# KiCad board keyboard0.kicad_pcb (continued)
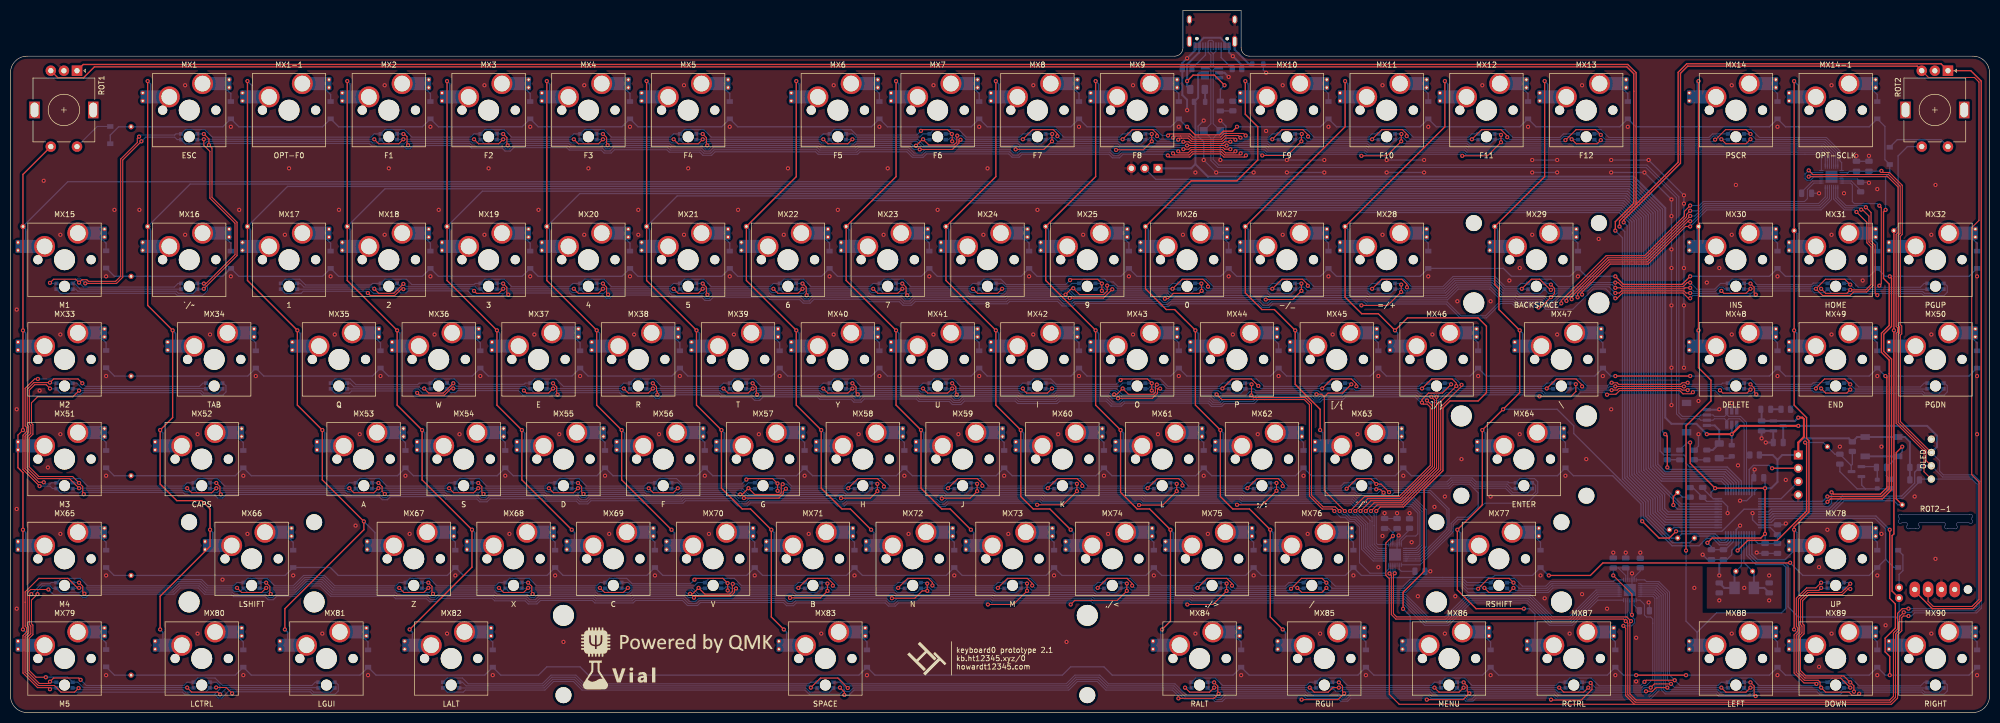
[diagram p0: board, top side]
## Placement (name value [footprint] x y rotation side) (continued)
ROW3  TestPoint_Small  [TestPoint_THTPad_D1.0mm_Drill0.5mm]  23.02 45.24 0 bottom
ROW4  TestPoint_Small  [TestPoint_THTPad_D1.0mm_Drill0.5mm]  23.02 26.19 0 bottom
ROW5  TestPoint_Small  [TestPoint_THTPad_D1.0mm_Drill0.5mm]  23.02 7.14 0 bottom
RST1  TestPoint_Small  [TestPoint_THTPad_D1.0mm_Drill0.5mm]  346.85 50.8 180 bottom
SW1  SW_Push  [SKQG-1155865]  357.16 50.8 180 bottom
U1  SRV05-4  [SOT-23-6_Handsoldering]  229.38 122.23 180 bottom
U2  SRV05-4  [SOT-23-6_Handsoldering]  328.59 56.35 270 bottom
U12  XC6206P332MR  [SOT-23]  337.47 54.77 0 bottom
U14  STM32F303CBT6  [LQFP-48_7x7mm_P0.5mm]  330.18 38.1 90 bottom
USB1  TYPE-C-31-M-12  [USB_C_Receptacle_HRO_TYPE-C-31-M-12]  229.38 131.36 0 bottom
X1  TestPoint_Small  [TestPoint_THTPad_D1.0mm_Drill0.5mm]  332.56 26.99 180 bottom
X2  TestPoint_Small  [TestPoint_THTPad_D1.0mm_Drill0.5mm]  329.39 26.99 180 bottom
Y2  8MHz  [Crystal_SMD_5032-2Pin_5.0x3.2mm]  330.97 23.81 180 bottom

## Library data of the parts
BOOT0 BOOT1 COL0-COL17 D+1 D-1 ENCA1 ENCB1 ENCB2 J1 J3 LOGO0 LOGO0#2 LOGO1 LOGO1#2 LOGO2 LOGO2#2 MX1 MX1-1 MX2-MX14 MX14-1 MX15-MX25 MX27-MX90 OL1 ROT1 ROT2 ROT2-1 ROW0-ROW5 RST1 X1 X2 = -: JLCPCB BOM: 0
C1 C6 C8 C9 C11 C13 C18-C20 C22 = -: LCSC Part: C28233
C2 = -: LCSC Part: C1779
C3 C7 = -: LCSC Part: C1798
C4 C5 C10 C12 C24 C43 C44 = -: LCSC Part: C28323
C21 = -: LCSC Part: C15850
C23 = -: LCSC Part: C1710
D1 = -: LCSC Part: C2297
D2 D5 D11 = -: LCSC Part: C84256
D3 D4 D6 KD1 KD1-1 KD2-KD14 KD14-1 KD15-KD90 = -: LCSC Part: C81598
F1 F8 = -: LCSC Part: C70069
FB1 FB5 FB15 = -: LCSC Part: C18305
I1-I3 = -: LCSC Part: C191206
J2 = -: LCSC Part: C160404
LED1-LED90 = -: LCSC Part: C409782
Q1 = -: LCSC Part: C8545
R1 R8 = -: LCSC Part: C17798
R2 R64 = -: LCSC Part: C17734
R5 R6 R27 = -: LCSC Part: C17414
R7 = -: LCSC Part: C25803
R11 R15 R16 = -: LCSC Part: C4328
R12 R13 = -: LCSC Part: C27834
R38 R39 = -: LCSC Part: C17673
R58 = -: LCSC Part: C4310
SW1 = -: LCSC Part: C318884
U1 U2 = -: LCSC Part: C85364
U12 = -: LCSC Part: C5446
U14 = -: LCSC Part: C108516
Y2 = -: LCSC Part: C115962

## Footprints (pads in the part's own frame, mm; a bottom-side part is the same pattern mirrored in y, then rotated)
C_0805_2012Metric
  rrect 1x1.45 smd: 1(-0.95,0) 2(0.95,0)
CherryMX_1.00u_PCB_KailhSocket
  rect 2.55x2.5 smd: (-7.085,2.54) (5.815,5.08)
  round 1.75 hole 1.75 unplated: (-5.08,0) (5.08,0)
  round 3.988 hole 3.988 unplated: (0,0)
  round 0.8 hole 0.4: 1(-8.89,3.302) 1(-8.89,1.778) 2(7.62,5.842) 2(7.62,4.318)
  rect 4.5x2.5 smd far side: 1(-7.085,2.54) 2(5.842,5.08)
  round 4 hole 3: 1(-3.81,2.54) 2(2.54,5.08)
CherryMX_1.25u_PCB_KailhSocket
  rect 2.55x2.5 smd: (-7.085,2.54) (5.815,5.08)
  round 1.75 hole 1.75 unplated: (-5.08,0) (5.08,0)
  round 3.988 hole 3.988 unplated: (0,0)
  round 0.8 hole 0.4: 1(-8.89,3.302) 1(-8.89,1.778) 2(7.62,5.842) 2(7.62,4.318)
  rect 4.5x2.5 smd far side: 1(-7.085,2.54) 2(5.842,5.08)
  round 4 hole 3: 1(-3.81,2.54) 2(2.54,5.08)
CherryMX_1.50u_PCB_KailhSocket
  rect 2.55x2.5 smd: (-7.085,2.54) (5.815,5.08)
  round 1.75 hole 1.75 unplated: (-5.08,0) (5.08,0)
  round 3.988 hole 3.988 unplated: (0,0)
  round 0.8 hole 0.4: 1(-8.89,3.302) 1(-8.89,1.778) 2(7.62,5.842) 2(7.62,4.318)
  rect 4.5x2.5 smd far side: 1(-7.085,2.54) 2(5.842,5.08)
  round 4 hole 3: 1(-3.81,2.54) 2(2.54,5.08)
CherryMX_2.00u_PCB_KailhSocket_StabWireBottom
  round 3.05 hole 3.05 unplated: (-11.938,7) (11.938,7)
  round 4 hole 4 unplated: (-11.938,-8.24) (11.938,-8.24)
  rect 2.55x2.5 smd: (-7.085,2.54) (5.815,5.08)
  round 1.75 hole 1.75 unplated: (-5.08,0) (5.08,0)
  round 3.988 hole 3.988 unplated: (0,0)
  round 0.8 hole 0.4: 1(-8.89,3.302) 1(-8.89,1.778) 2(7.62,5.842) 2(7.62,4.318)
  rect 4.5x2.5 smd far side: 1(-7.085,2.54) 2(5.842,5.08)
  round 4 hole 3: 1(-3.81,2.54) 2(2.54,5.08)
CherryMX_2.25u_PCB_KailhSocket_StabWireBottom
  round 3.05 hole 3.05 unplated: (-11.938,7) (11.938,7)
  round 4 hole 4 unplated: (-11.938,-8.24) (11.938,-8.24)
  rect 2.55x2.5 smd: (-7.085,2.54) (5.815,5.08)
  round 1.75 hole 1.75 unplated: (-5.08,0) (5.08,0)
  round 3.988 hole 3.988 unplated: (0,0)
  round 0.8 hole 0.4: 1(-8.89,3.302) 1(-8.89,1.778) 2(7.62,5.842) 2(7.62,4.318)
  rect 4.5x2.5 smd far side: 1(-7.085,2.54) 2(5.842,5.08)
  round 4 hole 3: 1(-3.81,2.54) 2(2.54,5.08)
CherryMX_2.25u_PCB_KailhSocket_StabWireTop
  round 4 hole 4 unplated: (-11.938,8.24) (11.938,8.24)
  round 3.05 hole 3.05 unplated: (-11.938,-7) (11.938,-7)
  rect 2.55x2.5 smd: (-7.085,2.54) (5.815,5.08)
  round 1.75 hole 1.75 unplated: (-5.08,0) (5.08,0)
  round 3.988 hole 3.988 unplated: (0,0)
  round 0.8 hole 0.4: 1(-8.89,3.302) 1(-8.89,1.778) 2(7.62,5.842) 2(7.62,4.318)
  rect 4.5x2.5 smd far side: 1(-7.085,2.54) 2(5.842,5.08)
  round 4 hole 3: 1(-3.81,2.54) 2(2.54,5.08)
CherryMX_2.75u_PCB_KailhSocket_StabWireBottom
  round 3.05 hole 3.05 unplated: (-11.938,7) (11.938,7)
  round 4 hole 4 unplated: (-11.938,-8.24) (11.938,-8.24)
  rect 2.55x2.5 smd: (-7.095,2.541) (5.805,5.081)
  round 1.75 hole 1.75 unplated: (-5.09,0.001) (5.07,0.001)
  round 3.988 hole 3.988 unplated: (-0.01,0.001)
  round 0.8 hole 0.4: 1(-8.9,3.303) 1(-8.9,1.779) 2(7.61,5.843) 2(7.61,4.319)
  rect 4.5x2.5 smd far side: 1(-7.095,2.541) 2(5.832,5.081)
  round 4 hole 3: 1(-3.82,2.541) 2(2.53,5.081)
CherryMX_6.25u_PCB_KailhSocket_StabWireTop
  round 4 hole 4 unplated: (-50,8.24) (50,8.24)
  round 3.05 hole 3.05 unplated: (-50,-7) (50,-7)
  rect 2.55x2.5 smd: (-7.085,2.54) (5.815,5.08)
  round 1.75 hole 1.75 unplated: (-5.08,0) (5.08,0)
  round 3.988 hole 3.988 unplated: (0,0)
  round 0.8 hole 0.4: 1(-8.89,3.302) 1(-8.89,1.778) 2(7.62,5.842) 2(7.62,4.318)
  rect 4.5x2.5 smd far side: 1(-7.085,2.54) 2(5.842,5.08)
  round 4 hole 3: 1(-3.81,2.54) 2(2.54,5.08)
Crystal_SMD_5032-2Pin_5.0x3.2mm
  rect 2x2.4 smd: 1(-1.85,0) 2(1.85,0)
D_SOD-123
  rect 0.9x1.2 smd: 1(-1.65,0) 2(1.65,0)
EVQWGD001
  round 1.6 hole 1.6 unplated: (-6.21,5.85)
  oval 2x3 hole 1: A(3.95,5.85) B(1.41,5.85) C(-1.13,5.85) NC(-3.67,5.85)
  round 1.524 hole 0.762: S1(6.95,7.5)
  oval 1.524x1.524 hole 0.762: S2(6.95,5.5)
Fuse_1206_3216Metric
  rrect 1.25x1.75 smd: 1(-1.4,0) 2(1.4,0)
JST-SR-4
  rect 0.6x1.55 smd: 1(-1.5,4.775) 2(-0.5,4.775) 3(0.5,4.775) 4(1.5,4.775)
  rect 1.2x1.8 smd: MP(-2.8,0.9) MP(2.8,0.9)
L_0805_2012Metric
  rrect 0.875x1.2 smd: 1(-1.062,0) 2(1.062,0)
LED_0805_2012Metric
  rrect 0.975x1.4 smd: 1(-0.938,0) 2(0.938,0)
LQFP-48_7x7mm_P0.5mm
  rrect 1.475x0.3 smd: 1(-4.162,2.75) 2(-4.162,2.25) 3(-4.162,1.75) 4(-4.162,1.25) 5(-4.162,0.75) 6(-4.162,0.25) 7(-4.162,-0.25) 8(-4.162,-0.75) 9(-4.162,-1.25) 10(-4.162,-1.75) 11(-4.162,-2.25) 12(-4.162,-2.75) 25(4.162,-2.75) 26(4.162,-2.25) 27(4.162,-1.75) 28(4.162,-1.25) 29(4.162,-0.75) 30(4.162,-0.25) 31(4.162,0.25) 32(4.162,0.75) 33(4.162,1.25) 34(4.162,1.75) 35(4.162,2.25) 36(4.162,2.75)
  rrect 0.3x1.475 smd: 13(-2.75,-4.162) 14(-2.25,-4.162) 15(-1.75,-4.162) 16(-1.25,-4.162) 17(-0.75,-4.162) 18(-0.25,-4.162) 19(0.25,-4.162) 20(0.75,-4.162) 21(1.25,-4.162) 22(1.75,-4.162) 23(2.25,-4.162) 24(2.75,-4.162) 37(2.75,4.162) 38(2.25,4.162) 39(1.75,4.162) 40(1.25,4.162) 41(0.75,4.162) 42(0.25,4.162) 43(-0.25,4.162) 44(-0.75,4.162) 45(-1.25,4.162) 46(-1.75,4.162) 47(-2.25,4.162) 48(-2.75,4.162)
MHT151RGBCT_with_outline
  round 2.1 hole 2.1 unplated: (0,-5.075)
  rect 0.8x0.7 smd: 1(-1.55,-4.525) 2(-1.55,-5.625) 3(1.55,-5.625) 4(1.55,-4.525)
OLED_v2
  round 1.397 hole 0.813: 1(-3.81,0) 2(-1.27,0) 3(1.27,0) 4(3.81,0)
PinHeader_1x03_P2.54mm_Vertical
  rect 1.7x1.7 hole 1: 1(0,0)
  oval 1.7x1.7 hole 1: 2(0,-2.54) 3(0,-5.08)
PinSocket_1x04_P2.54mm_Vertical
  rect 1.7x1.7 hole 1: 1(0,0)
  oval 1.7x1.7 hole 1: 2(0,-2.54) 3(0,-5.08) 4(0,-7.62)
QFN-28-1EP_4x4mm_P0.4mm_EP2.3x2.3mm
  rrect 0.93x0.93 smd: (-0.575,-0.575) (-0.575,0.575) (0.575,-0.575) (0.575,0.575)
  rrect 0.825x0.2 smd: 1(-1.938,1.2) 2(-1.938,0.8) 3(-1.938,0.4) 4(-1.938,0) 5(-1.938,-0.4) 6(-1.938,-0.8) 7(-1.938,-1.2) 15(1.938,-1.2) 16(1.938,-0.8) 17(1.938,-0.4) 18(1.938,0) 19(1.938,0.4) 20(1.938,0.8) 21(1.938,1.2)
  rrect 0.2x0.825 smd: 8(-1.2,-1.938) 9(-0.8,-1.938) 10(-0.4,-1.938) 11(0,-1.938) 12(0.4,-1.938) 13(0.8,-1.938) 14(1.2,-1.938) 22(1.2,1.938) 23(0.8,1.938) 24(0.4,1.938) 25(0,1.938) 26(-0.4,1.938) 27(-0.8,1.938) 28(-1.2,1.938)
  rect 2.3x2.3 smd: 29(0,0)
R_0603_1608Metric
  rrect 0.8x0.95 smd: 1(-0.825,0) 2(0.825,0)
R_0805_2012Metric
  rrect 1.025x1.4 smd: 1(-0.912,0) 2(0.912,0)
RotaryEncoder_Alps_EC11E-Switch_Vertical_H20mm
  rect 2x2 hole 1: A(0,0)
  round 2 hole 1: B(0,-5) C(0,-2.5) S1(14.5,-5) S2(14.5,0)
  rect 3.2x2 hole 2.8x1.5: MP(7.5,3.1) MP(7.5,-8.1)
SKQG-1155865
  rect 1.8x1.1 smd: 1(-3.1,-1.85) 1(3.1,-1.85) 2(-3.1,1.85) 2(3.1,1.85)
SOT-23
  rrect 1.475x0.6 smd: 1(-0.938,0.95) 2(-0.938,-0.95) 3(0.938,0)
SOT-23-6_Handsoldering
  rect 1.56x0.65 smd: 1(-1.35,0.95) 2(-1.35,0) 3(-1.35,-0.95) 4(1.35,-0.95) 5(1.35,0) 6(1.35,0.95)
TestPoint_Pad_1.5x1.5mm
  rect 1.5x1.5 smd: 1(0,0)
TestPoint_THTPad_D1.0mm_Drill0.5mm
  round 1 hole 0.5: 1(0,0)
USB_C_Receptacle_HRO_TYPE-C-31-M-12
  round 0.65 hole 0.65 unplated: (-2.89,2.6) (2.89,2.6)
  rect 0.6x1.45 smd: A1(-3.25,4.045) A4(-2.45,4.045) A9(2.45,4.045) A12(3.25,4.045) B1(3.25,4.045) B4(2.45,4.045) B9(-2.45,4.045) B12(-3.25,4.045)
  rect 0.3x1.45 smd: A5(-1.25,4.045) A6(-0.25,4.045) A7(0.25,4.045) A8(1.25,4.045) B5(1.75,4.045) B6(0.75,4.045) B7(-0.75,4.045) B8(-1.75,4.045)
  oval 1x1.6 hole 0.6x1.2: S1(-4.32,-1.05) S1(4.32,-1.05)
  oval 1x2.1 hole 0.6x1.7: S1(-4.32,3.13) S1(4.32,3.13)

## Nets
+3V3: C18.1 C19.1 C20.1 C21.1 C22.1 C23.2 C24.1 C44.1 D1.2 D11.2 J1.1 R5.1 R38.1 R39.1 R58.1 SW1.2 U12.2 U14.1 U14.9 U14.24 U14.36 U14.48
+5V: C5.1 C6.1 C10.1 C11.1 C12.1 C13.1 C43.1 FB1.2 FB15.2 I1.2 I1.3 I2.2 I2.3 I3.2 I3.3 I3.18 J3.1 OL1.3 U1.5 U2.5 U12.3
GND: C1.2 C3.2 C4.2 C5.2 C6.2 C7.2 C8.2 C9.2 C10.2 C11.2 C12.2 C13.2 C18.2 C19.2 C20.2 C21.2 C22.2 C23.1 C24.2 C43.2 C44.2 FB5.1 I1.5 I1.29 I2.5 I2.29 I3.5 I3.29 J1.4 J2.4 J2.MP J3.3 OL1.4 Q1.2 R1.1 R6.2 R7.2 R8.1 R11.1 R12.2 R13.2 R15.1 R16.1 R27.1 R64.1 ROT1.C ROT2.C ROT2-1.C U1.2 U2.2 U12.1 U14.8 U14.23 U14.35 U14.47 USB1.A1 USB1.A12 USB1.B1 USB1.B12
VBUS: D2.2 F1.1 USB1.A4 USB1.A9 USB1.B4 USB1.B9
VCC: D5.2 F8.1 J2.1
1CA1: I1.21 LED1.4 LED2.4 LED3.4 LED4.4 LED5.4 LED6.4 LED7.4 LED8.4 LED9.1
1CA2: I1.22 LED1.1 LED2.3 LED3.3 LED4.3 LED5.3 LED6.3 LED7.3 LED8.3 LED10.1
1CA3: I1.23 LED1.3 LED2.1 LED3.2 LED4.2 LED5.2 LED6.2 LED7.2 LED8.2 LED11.1
1CA4: I1.24 LED1.2 LED2.2 LED3.1 LED12.1
1CA5: I1.25 LED4.1 LED13.1
1CA6: I1.26 LED5.1 LED14.1 LED15.2 LED16.2
1CA7: I1.27 LED6.1 LED9.2 LED10.2 LED11.2 LED12.2 LED13.2 LED14.2 LED15.1 LED16.3
1CA8: I1.28 LED7.1 LED9.3 LED10.3 LED11.3 LED12.3 LED13.3 LED14.3 LED15.3 LED16.1
1CA9: I1.1 LED8.1 LED9.4 LED10.4 LED11.4 LED12.4 LED13.4 LED14.4 LED15.4 LED16.4
1CB1: I1.7 LED17.4 LED18.4 LED19.4 LED20.4 LED21.4 LED22.4 LED23.4 LED24.4 LED25.1
1CB2: I1.8 LED17.1 LED18.3 LED19.3 LED20.3 LED21.3 LED22.3 LED23.3 LED24.3 LED26.1
1CB3: I1.9 LED17.3 LED18.1 LED19.2 LED20.2 LED21.2 LED22.2 LED23.2 LED24.2 LED27.1
1CB4: I1.10 LED17.2 LED18.2 LED19.1 LED28.1
1CB5: I1.11 LED20.1 LED29.1
1CB6: I1.12 LED21.1 LED30.1 LED31.2 LED32.2
1CB7: I1.13 LED22.1 LED25.2 LED26.2 LED27.2 LED28.2 LED29.2 LED30.2 LED31.1 LED32.3
1CB8: I1.14 LED23.1 LED25.3 LED26.3 LED27.3 LED28.3 LED29.3 LED30.3 LED31.3 LED32.1
1CB9: I1.15 LED24.1 LED25.4 LED26.4 LED27.4 LED28.4 LED29.4 LED30.4 LED31.4 LED32.4
2CA1: I2.21 LED33.4 LED34.4 LED35.4 LED36.4 LED37.4 LED38.4 LED39.4 LED40.4 LED41.1
2CA2: I2.22 LED33.1 LED34.3 LED35.3 LED36.3 LED37.3 LED38.3 LED39.3 LED40.3 LED42.1
2CA3: I2.23 LED33.3 LED34.1 LED35.2 LED36.2 LED37.2 LED38.2 LED39.2 LED40.2 LED43.1
2CA4: I2.24 LED33.2 LED34.2 LED35.1 LED44.1
2CA5: I2.25 LED36.1 LED45.1
2CA6: I2.26 LED37.1 LED46.1 LED47.2 LED48.2
2CA7: I2.27 LED38.1 LED41.2 LED42.2 LED43.2 LED44.2 LED45.2 LED46.2 LED47.1 LED48.3
2CA8: I2.28 LED39.1 LED41.3 LED42.3 LED43.3 LED44.3 LED45.3 LED46.3 LED47.3 LED48.1
2CA9: I2.1 LED40.1 LED41.4 LED42.4 LED43.4 LED44.4 LED45.4 LED46.4 LED47.4 LED48.4
2CB1: I2.7 LED49.4 LED50.4 LED51.4 LED52.4 LED53.4 LED54.4 LED55.4 LED56.4 LED57.1
2CB2: I2.8 LED49.1 LED50.3 LED51.3 LED52.3 LED53.3 LED54.3 LED55.3 LED56.3 LED58.1
2CB3: I2.9 LED49.3 LED50.1 LED51.2 LED52.2 LED53.2 LED54.2 LED55.2 LED56.2 LED59.1
2CB4: I2.10 LED49.2 LED50.2 LED51.1 LED60.1
2CB5: I2.11 LED52.1 LED61.1
2CB6: I2.12 LED53.1 LED62.1 LED63.2 LED64.2
2CB7: I2.13 LED54.1 LED57.2 LED58.2 LED59.2 LED60.2 LED61.2 LED62.2 LED63.1 LED64.3
2CB8: I2.14 LED55.1 LED57.3 LED58.3 LED59.3 LED60.3 LED61.3 LED62.3 LED63.3 LED64.1
2CB9: I2.15 LED56.1 LED57.4 LED58.4 LED59.4 LED60.4 LED61.4 LED62.4 LED63.4 LED64.4
3CA1: I3.21 LED65.4 LED66.4 LED67.4 LED68.4 LED69.4 LED70.4 LED71.4 LED72.4 LED73.1
3CA2: I3.22 LED65.1 LED66.3 LED67.3 LED68.3 LED69.3 LED70.3 LED71.3 LED72.3 LED74.1
3CA3: I3.23 LED65.3 LED66.1 LED67.2 LED68.2 LED69.2 LED70.2 LED71.2 LED72.2 LED75.1
3CA4: I3.24 LED65.2 LED66.2 LED67.1 LED76.1
3CA5: I3.25 LED68.1 LED77.1
3CA6: I3.26 LED69.1 LED78.1 LED79.2 LED80.2
3CA7: I3.27 LED70.1 LED73.2 LED74.2 LED75.2 LED76.2 LED77.2 LED78.2 LED79.1 LED80.3
3CA8: I3.28 LED71.1 LED73.3 LED74.3 LED75.3 LED76.3 LED77.3 LED78.3 LED79.3 LED80.1
3CA9: I3.1 LED72.1 LED73.4 LED74.4 LED75.4 LED76.4 LED77.4 LED78.4 LED79.4 LED80.4
3CB1: I3.7 LED81.4 LED82.4 LED83.4 LED84.4 LED85.4 LED86.4 LED87.4 LED88.4
3CB2: I3.8 LED81.1 LED82.3 LED83.3 LED84.3 LED85.3 LED86.3 LED87.3 LED88.3
3CB3: I3.9 LED81.3 LED82.1 LED83.2 LED84.2 LED85.2 LED86.2 LED87.2 LED88.2
3CB4: I3.10 LED81.2 LED82.2 LED83.1
3CB5: I3.11 LED84.1
3CB6: I3.12 LED85.1 LED89.2 LED90.2
3CB7: I3.13 LED86.1 LED89.1 LED90.3
3CB8: I3.14 LED87.1 LED89.3 LED90.1
3CB9: I3.15 LED88.1 LED89.4 LED90.4
A9: J3.2 R2.1 U14.30
BOOT0: BOOT0.1 C2.2 R6.1 SW1.1 U14.44
BOOT1: BOOT1.1 R27.2 U14.20
COL0: COL0.1 MX15.1 MX33.1 MX51.1 MX65.1 MX79.1 ROT1.S1 U14.31
COL1: COL1.1 MX1.1 MX16.1 MX34.1 MX52.1 MX66.1 MX80.1 U14.29
COL2: COL2.1 MX1-1.1 MX17.1 MX35.1 MX53.1 MX67.1 MX81.1 U14.28
COL3: COL3.1 MX2.1 MX18.1 MX36.1 MX54.1 MX68.1 MX82.1 U14.27
COL4: COL4.1 MX3.1 MX19.1 MX37.1 MX55.1 MX69.1 U14.26
COL5: COL5.1 MX4.1 MX20.1 MX38.1 MX56.1 MX70.1 U14.25
COL6: COL6.1 MX5.1 MX21.1 MX39.1 MX57.1 MX71.1 MX83.1 U14.22
COL7: COL7.1 MX6.1 MX22.1 MX40.1 MX58.1 MX72.1 U14.21
COL8: COL8.1 MX7.1 MX23.1 MX41.1 MX59.1 MX73.1 U14.19
COL9: COL9.1 MX8.1 MX24.1 MX42.1 MX60.1 MX74.1 U14.18
COL10: COL10.1 MX9.1 MX25.1 MX43.1 MX61.1 MX75.1 MX84.1 U14.17
COL11: COL11.1 MX10.1 MX26.1 MX44.1 MX62.1 MX76.1 MX85.1 U14.16
COL12: COL12.1 MX11.1 MX27.1 MX45.1 MX63.1 U14.15
COL13: COL13.1 MX12.1 MX28.1 MX46.1 MX86.1 U14.14
COL14: COL14.1 MX13.1 MX29.1 MX47.1 MX64.1 MX77.1 MX87.1 U14.10
COL15: COL15.1 MX14.1 MX30.1 MX48.1 MX88.1 U14.4
COL16: COL16.1 MX14-1.1 MX31.1 MX49.1 MX78.1 MX89.1 U14.2
COL17: COL17.1 MX32.1 MX50.1 MX90.1 ROT2.S1 ROT2-1.S1 U14.3
D+: D+1.1 J2.3 R58.2 U1.1 U2.1 U14.33 USB1.A6 USB1.B6
D-: D-1.1 J2.2 U1.6 U2.6 U14.32 USB1.A7 USB1.B7
Earth: FB5.2 USB1.S1
ENCODER_A: ENCA1.1 ROT1.A ROT2.A ROT2-1.A U14.12
ENCODER_B1: ENCB1.1 ROT1.B U14.11
ENCODER_B2: ENCB2.1 ROT2.B ROT2-1.B U14.13
KEYBOARD_RESET: C4.1 Q1.3 R5.2 RST1.1 U14.7
KEYBOARD_XTAL1: C3.1 U14.5 X1.1 Y2.1
KEYBOARD_XTAL2: C7.1 U14.6 X2.1 Y2.2
ROT1_ROW: D3.1 D4.1 KD1.1 KD1-1.1 KD2.1 KD3.1 KD4.1 KD5.1 KD6.1 KD7.1 KD8.1 KD9.1 KD10.1 KD11.1 KD12.1 KD13.1 KD14.1 KD14-1.1 ROW0.1 U14.38
ROT2-1_ROW: D6.1 KD65.1 KD66.1 KD67.1 KD68.1 KD69.1 KD70.1 KD71.1 KD72.1 KD73.1 KD74.1 KD75.1 KD76.1 KD77.1 KD78.1 ROW4.1 U14.46
ROW1: KD15.1 KD16.1 KD17.1 KD18.1 KD19.1 KD20.1 KD21.1 KD22.1 KD23.1 KD24.1 KD25.1 KD26.1 KD27.1 KD28.1 KD29.1 KD30.1 KD31.1 KD32.1 ROW1.1 U14.39
ROW2: KD33.1 KD34.1 KD35.1 KD36.1 KD37.1 KD38.1 KD39.1 KD40.1 KD41.1 KD42.1 KD43.1 KD44.1 KD45.1 KD46.1 KD47.1 KD48.1 KD49.1 KD50.1 ROW2.1 U14.40
ROW3: KD51.1 KD52.1 KD53.1 KD54.1 KD55.1 KD56.1 KD57.1 KD58.1 KD59.1 KD60.1 KD61.1 KD62.1 KD63.1 KD64.1 ROW3.1 U14.41
ROW5: KD79.1 KD80.1 KD81.1 KD82.1 KD83.1 KD84.1 KD85.1 KD86.1 KD87.1 KD88.1 KD89.1 KD90.1 ROW5.1 U14.45
SCL: I1.18 I1.20 I2.20 I3.20 OL1.2 R39.2 U14.42
SDA: I1.19 I2.18 I2.19 I3.19 OL1.1 R38.2 U14.43
SWCLK: J1.3 U14.37
SWDIO: J1.2 U14.34
Net-(C1-Pad1): C1.1 I1.16
Net-(C2-Pad1): C2.1 Q1.1 R7.1
Net-(C8-Pad1): C8.1 I2.16
Net-(C9-Pad1): C9.1 I3.16
Net-(D1-Pad1): D1.1 R2.2
Net-(D2-Pad1): D2.1 R1.2
Net-(D3-Pad2): D3.2 ROT1.S2
Net-(D4-Pad2): D4.2 ROT2.S2
Net-(D5-Pad1): D5.1 R8.2
Net-(D6-Pad2): D6.2 ROT2-1.S2
Net-(D11-Pad1): D11.1 R64.2
Net-(F1-Pad2): F1.2 FB1.1
Net-(F8-Pad2): F8.2 FB15.1
Net-(I1-Pad6): I1.6 R11.2
Net-(I2-Pad6): I2.6 R15.2
Net-(I3-Pad6): I3.6 R16.2
Net-(KD1-1-Pad2): KD1-1.2 MX1-1.2
Net-(KD1-Pad2): KD1.2 MX1.2
Net-(KD2-Pad2): KD2.2 MX2.2
Net-(KD3-Pad2): KD3.2 MX3.2
Net-(KD4-Pad2): KD4.2 MX4.2
Net-(KD5-Pad2): KD5.2 MX5.2
Net-(KD6-Pad2): KD6.2 MX6.2
Net-(KD7-Pad2): KD7.2 MX7.2
Net-(KD8-Pad2): KD8.2 MX8.2
Net-(KD9-Pad2): KD9.2 MX9.2
Net-(KD10-Pad2): KD10.2 MX10.2
Net-(KD11-Pad2): KD11.2 MX11.2
Net-(KD12-Pad2): KD12.2 MX12.2
Net-(KD13-Pad2): KD13.2 MX13.2
Net-(KD14-1-Pad2): KD14-1.2 MX14-1.2
Net-(KD14-Pad2): KD14.2 MX14.2
Net-(KD15-Pad2): KD15.2 MX15.2
Net-(KD16-Pad2): KD16.2 MX16.2
Net-(KD17-Pad2): KD17.2 MX17.2
Net-(KD18-Pad2): KD18.2 MX18.2
Net-(KD19-Pad2): KD19.2 MX19.2
Net-(KD20-Pad2): KD20.2 MX20.2
Net-(KD21-Pad2): KD21.2 MX21.2
Net-(KD22-Pad2): KD22.2 MX22.2
Net-(KD23-Pad2): KD23.2 MX23.2
Net-(KD24-Pad2): KD24.2 MX24.2
Net-(KD25-Pad2): KD25.2 MX25.2
Net-(KD26-Pad2): KD26.2 MX26.2
Net-(KD27-Pad2): KD27.2 MX27.2
Net-(KD28-Pad2): KD28.2 MX28.2
Net-(KD29-Pad2): KD29.2 MX29.2
Net-(KD30-Pad2): KD30.2 MX30.2
Net-(KD31-Pad2): KD31.2 MX31.2
Net-(KD32-Pad2): KD32.2 MX32.2
Net-(KD33-Pad2): KD33.2 MX33.2
Net-(KD34-Pad2): KD34.2 MX34.2
Net-(KD35-Pad2): KD35.2 MX35.2
Net-(KD36-Pad2): KD36.2 MX36.2
Net-(KD37-Pad2): KD37.2 MX37.2
Net-(KD38-Pad2): KD38.2 MX38.2
Net-(KD39-Pad2): KD39.2 MX39.2
Net-(KD40-Pad2): KD40.2 MX40.2
Net-(KD41-Pad2): KD41.2 MX41.2
Net-(KD42-Pad2): KD42.2 MX42.2
Net-(KD43-Pad2): KD43.2 MX43.2
Net-(KD44-Pad2): KD44.2 MX44.2
Net-(KD45-Pad2): KD45.2 MX45.2
Net-(KD46-Pad2): KD46.2 MX46.2
Net-(KD47-Pad2): KD47.2 MX47.2
Net-(KD48-Pad2): KD48.2 MX48.2
Net-(KD49-Pad2): KD49.2 MX49.2
Net-(KD50-Pad2): KD50.2 MX50.2
Net-(KD51-Pad2): KD51.2 MX51.2
Net-(KD52-Pad2): KD52.2 MX52.2
Net-(KD53-Pad2): KD53.2 MX53.2
Net-(KD54-Pad2): KD54.2 MX54.2
Net-(KD55-Pad2): KD55.2 MX55.2
Net-(KD56-Pad2): KD56.2 MX56.2
Net-(KD57-Pad2): KD57.2 MX57.2
Net-(KD58-Pad2): KD58.2 MX58.2
Net-(KD59-Pad2): KD59.2 MX59.2
Net-(KD60-Pad2): KD60.2 MX60.2
Net-(KD61-Pad2): KD61.2 MX61.2
Net-(KD62-Pad2): KD62.2 MX62.2
Net-(KD63-Pad2): KD63.2 MX63.2
Net-(KD64-Pad2): KD64.2 MX64.2
Net-(KD65-Pad2): KD65.2 MX65.2
Net-(KD66-Pad2): KD66.2 MX66.2
Net-(KD67-Pad2): KD67.2 MX67.2
Net-(KD68-Pad2): KD68.2 MX68.2
Net-(KD69-Pad2): KD69.2 MX69.2
Net-(KD70-Pad2): KD70.2 MX70.2
Net-(KD71-Pad2): KD71.2 MX71.2
Net-(KD72-Pad2): KD72.2 MX72.2
Net-(KD73-Pad2): KD73.2 MX73.2
Net-(KD74-Pad2): KD74.2 MX74.2
Net-(KD75-Pad2): KD75.2 MX75.2
Net-(KD76-Pad2): KD76.2 MX76.2
Net-(KD77-Pad2): KD77.2 MX77.2
Net-(KD78-Pad2): KD78.2 MX78.2
Net-(KD79-Pad2): KD79.2 MX79.2
Net-(KD80-Pad2): KD80.2 MX80.2
Net-(KD81-Pad2): KD81.2 MX81.2
Net-(KD82-Pad2): KD82.2 MX82.2
Net-(KD83-Pad2): KD83.2 MX83.2
Net-(KD84-Pad2): KD84.2 MX84.2
Net-(KD85-Pad2): KD85.2 MX85.2
Net-(KD86-Pad2): KD86.2 MX86.2
Net-(KD87-Pad2): KD87.2 MX87.2
Net-(KD88-Pad2): KD88.2 MX88.2
Net-(KD89-Pad2): KD89.2 MX89.2
Net-(KD90-Pad2): KD90.2 MX90.2
Net-(R12-Pad1): R12.1 USB1.B5
Net-(R13-Pad1): R13.1 USB1.A5

Pads without a net: I1 4 17; I2 4 17; I3 4 17; ROT1 MP; ROT2 MP; ROT2-1 NC; U1 3 4; U2 3 4; USB1 A8 B8

## Via types
v1: diameter 0.8, hole 0.4, Top to Bottom, 884 vias

## Routing (per net, layer and track width the routed paths; a pad name or vN(x,y) marks a point on that pad's centre or on a via; arc(x,y) is an arc through that point)
+3V3: length 138.5
  Top w0.25: v1(320.65,51.59) 320.65,47.62 v1(325.42,42.86) v1(334.94,42.86) v1(334.94,34.13) 334.15,33.34 324.85,33.34 v1(323.95,32.43)
  Top w0.381: v1(341.29,56.35) 342.08,56.35 342.36,56.07 342.36,52.66 341.29,51.59 J1.1
  Bottom w0.25: C23.2 C24.1 324.7,31.67 v1(323.95,32.43) ; 324.62,41.27 324.62,42.07 v1(325.42,42.86) ; 324.62,41.27 323.04,42.86 ; 324.62,41.27 325.05,40.85 U14.24 ; U14.48 335.95,35.35 C22.1 C18.1 C21.1 ; U14.9 328.93,32.67 327.37,31.11 ; U14.36 333.53,42.86 v1(334.94,42.86) 334.94,44.6 ; C21.1 v1(334.94,34.13) ; C21.1 333.59,32.3 332.93,32.97 U14.1 ; v1(320.65,51.59) 320.11,51.59 D1.2
  Bottom w0.381: R38.1 R39.1 362.6,51.71 361.66,52.65 SW1.2 SW1.2 352.55,52.65 R5.1 350.93,52.38 342.23,52.38 341.29,51.45 J1.1 338.24,49.21 337.32,48.29 ; 337.32,48.29 336.4,49.21 R58.1 ; 337.32,48.29 337.32,44.05 336.13,42.86 v1(334.94,42.86) ; v1(341.29,56.35) 340.65,55.72 U12.2 C44.1 334.29,57.8
+5V: length 541.9
  Top w0.2: v1(362.32,18.44) 361.32,18.44 361.05,18.17 361.05,15.62 360.25,14.82 360.25,2.75 359.08,1.58 310.01,1.58 ; v1(305.97,26.19) 309.54,22.62 v1(309.54,18.65) ; 310.01,1.58 265.1,1.58 263.21,3.47 263.21,25.57 262.56,26.23 262.56,26.23 262.56,32.38 v1(263.91,33.73) ; 310.01,1.58 308.35,3.24 308.35,16.13 v1(307.91,16.57) ; v1(357.16,103.48) 357.46,103.18 358.69,103.18 361.15,100.73 361.15,91.35 360.77,90.98 360.77,74.12 361.05,73.84 361.05,72.35 360.77,72.08 360.77,55.6 OL1.3
  Top w0.381: v1(341.29,54.77) 330.18,54.77 v1(328.59,53.18) v1(323.83,53.18)
  Bottom w0.2: I1.3 350.39,102.75 350.79,103.15 ; C12.1 306.92,27.62 ; 306.92,27.62 308.35,26.2 I3.2 ; 306.92,27.62 C13.1 v1(305.97,26.19) ; OL1.3 368.28,48.1 368.28,46.12 369,45.4 374.8,45.4 376.22,43.98 376.22,19.91 375.35,19.04 363.51,19.04 362.91,18.45 362.91,18.44 v1(362.32,18.44) ; v1(307.91,16.57) 309.49,16.57 310.05,17.13 310.05,17.8 309.54,18.31 v1(309.54,18.65) 309.15,19.05 I3.18 ; 350.79,103.15 I1.2 ; 350.79,103.15 351.06,103.42 C6.1 C5.1 357.1,103.42 v1(357.16,103.48) ; C11.1 263.11,35.16 263.91,34.37 ; I3.3 308.75,27.23 ; 263.91,34.37 C10.1 ; 263.91,34.37 v1(263.91,33.73) 263.5,33.33 I2.2 ; I2.3 263.9,33.73
  Bottom w0.381: 226.2,104.77 225.41,103.98 225.41,103.97 J3.1 ; 226.2,104.77 226.2,116.41 FB1.2 226.72,117.46 226.72,121.95 227,122.23 U1.5 ; 226.2,104.77 228.59,102.39 309.89,102.39 315.89,96.38 315.89,56.35 317.08,55.16 321.85,55.16 v1(323.83,53.18) ; FB15.2 v1(328.59,53.18) U2.5 ; C43.1 338.42,54.75 ; OL1.3 367.78,50.77 367.78,52.88 365.9,54.77 v1(341.29,54.77) U12.3
GND: length 308.1
  Bottom w0.2: R15.1 v1(267.08,38.1) ; C9.2 312.87,20.88 v1(312.72,21.03) ; C13.2 v1(305.97,30.56) ; v1(354.78,101.2) 354.67,101.32 R11.1 352.56,101.95 I1.5 348.04,101.95 ; v1(265,33.83) 264.7,33.53 I2.5 264.7,30.56 ; R16.1 v1(311.13,30.56) ; v1(243.67,105.56) v1(230.97,105.56) ; v1(264.7,38.1) C10.2 C11.2 v1(262.32,38.1) ; v1(309.54,26.59) 309.55,26.59 I3.5 309.55,23.81 ; U2.2 v1(328.59,59.13) ; v1(237.32,103.18) v1(230.17,103.18) v1(227.79,105.56) ; C8.2 v1(271.05,26.99) ; C12.2 v1(308.35,30.56)
  Bottom w0.25: v1(250.81,105.56) v1(243.67,105.56) ; v1(269.86,105.56) v1(262.71,105.56) ; v1(269.86,103.18) v1(262.71,103.18) ; 353.4,45.08 353.4,43.45 354.11,42.74 ; v1(305.57,105.56) v1(312.72,105.56) v1(319.46,98.82) v1(319.46,97.23) v1(319.46,84.93) v1(319.46,77.78) v1(319.46,65.88) ; v1(305.57,103.18) v1(311.92,103.18) v1(317.08,98.02) v1(317.08,94.85) v1(317.08,88.5) v1(317.08,84.93) v1(317.08,77.78) v1(317.08,65.88) v1(317.08,58.73) ; v1(323.04,30.16) 323.99,29.21 C24.2 C23.1 327.64,29.21 328.57,30.14 328.57,30.98 329.43,31.84 U14.8 329.43,34.97 v1(330.18,35.72) ; v1(230.97,105.56) 230.97,108.22 232.04,109.3 232.04,112.03 v1(230.97,113.1) ; C4.2 349.23,46.03 352.52,42.74 354.11,42.74 ; R8.1 322.24,50.92 v1(322.24,53.18) ; C18.2 C21.2 333.51,30.4 v1(333.35,30.56) ; v1(330.18,40.48) 331.45,40.48 332.43,41.46 U14.35 332.43,44.47 ; 354.11,42.74 R6.2 ; v1(354.78,106.36) C5.2 C6.2 v1(352.4,106.36) ; v1(338.91,36.11) 338.67,35.87 C22.2 ; C1.2 v1(345.26,99.21) ; FB5.1 239.17,122.75 v1(239.7,122.23) ; v1(290.49,103.18) v1(295.26,103.18) ; v1(227.79,105.56) 227.79,109.03 226.72,110.11 226.72,112.03 v1(227.79,113.1) ; v1(250.81,103.18) v1(243.67,103.18) ; 334.37,35.82 337.27,35.82 ; v1(295.26,105.56) v1(290.49,105.56) ; v1(327.8,38.1) 327.8,39.37 326.82,40.35 U14.23 323.8,40.35 C19.2 321.17,42.98 ; v1(332.56,38.1) 332.56,36.83 333.54,35.85 U14.47
  Bottom w0.381: J2.4 326.12,57.85 v1(326.21,57.94) ; C23.1 326.21,28.42 v1(326.21,26.19) ; R12.2 235.05,123.7 v1(233.35,125.4) 232.6,126.15 232.6,127.23 ; U12.1 C44.2 v1(334.29,52.38) ; v1(332.96,46.43) 332.8,46.28 C20.2 ; 336.52,53.8 C43.2 v1(335.09,51.59) ; v1(232.55,121.44) 231.76,122.23 U1.2 ; v1(224.62,115.09) 224.62,117.07 223.7,117.98 R13.2 223.7,124.1 v1(224.62,125.01) 226.15,126.54 226.15,127.23
  vias: v1(1.19,76.99) v1(1.19,57.94) v1(1.19,38.89) v1(1.19,19.84) v1(5.56,61.51) v1(6.35,101.59) v1(7.14,46.83) v1(9.52,91.28) v1(9.52,72.23) v1(9.52,53.18) v1(9.52,34.13) v1(18.26,83.34) v1(18.26,64.29) v1(18.26,45.24) v1(18.26,26.19) v1(18.26,7.14) v1(19.84,96.04) v1(24.6,96.04) v1(33.34,119.85) v1(33.34,91.28) v1(35.72,53.18) v1(35.72,15.08) v1(38.1,72.23) v1(40.48,25.4) v1(42.07,111.91) v1(42.07,83.34) v1(43.65,96.04) v1(44.45,45.24) v1(44.45,7.14) v1(45.24,34.13) v1(46.83,64.29) v1(52.38,91.28) v1(53.18,103.97) v1(53.97,26.19) v1(59.53,15.08) v1(61.11,83.34) v1(61.91,72.23) v1(62.7,96.04) v1(65.88,35.72) v1(66.67,53.18) v1(68.26,7.14) v1(70.64,64.29) v1(71.43,119.85) v1(71.43,91.28) v1(72.23,103.97) v1(75.4,45.24) v1(76.2,34.13) v1(80.16,111.91) v1(80.16,83.34) v1(80.96,72.23) v1(81.75,96.04) v1(83.34,15.08) v1(84.93,26.19) v1(85.72,53.18) v1(89.69,64.29) v1(90.48,119.85) v1(90.48,91.28) v1(91.28,103.97) v1(92.07,7.14) v1(94.45,45.24) v1(95.24,34.13) v1(99.21,111.91) v1(99.21,83.34) v1(100.01,72.23) v1(100.8,96.04) v1(103.97,26.19) v1(104.77,53.18) v1(105.56,13.49) v1(108.74,64.29) v1(109.53,119.85) v1(109.53,91.28) v1(110.32,103.97) v1(113.5,45.24) v1(114.29,34.13) v1(118.26,111.91) v1(118.26,83.34) v1(119.06,72.23) v1(119.85,96.04) v1(119.85,91.28) v1(123.02,26.19) v1(123.82,53.18) v1(127.79,64.29) v1(128.58,119.85) v1(128.58,91.28) v1(129.37,103.97) v1(132.55,45.24) v1(133.34,34.13) v1(137.31,111.91) v1(137.31,83.34) v1(138.1,72.23) v1(138.9,96.04) v1(142.07,26.19) v1(142.87,53.18) v1(146.83,64.29) v1(147.63,91.28) v1(148.42,103.97) v1(151.6,45.24) v1(152.39,34.13) v1(154.77,15.08) v1(156.36,83.34) v1(157.15,119.85) v1(157.15,72.23) v1(157.95,96.04) v1(161.12,26.19) v1(161.91,53.18) v1(163.5,7.14) v1(165.88,111.91) v1(165.88,64.29) v1(166.68,91.28) v1(167.47,103.97) v1(170.65,45.24) v1(171.44,34.13) v1(175.41,83.34) v1(176.2,119.85) v1(176.2,72.23) v1(177,96.04) v1(180.17,26.19) v1(180.96,53.18) v1(184.93,111.91) v1(184.93,64.29) v1(185.73,91.28) v1(186.52,103.97) v1(189.69,45.24) v1(190.49,34.13) v1(194.46,83.34) v1(195.25,119.85) v1(195.25,72.23) v1(196.04,96.04) v1(199.22,26.19) v1(200.01,53.18) v1(201.6,13.49) v1(203.98,111.91) v1(203.98,64.29) v1(204.77,91.28) v1(208.74,45.24) v1(209.54,34.13) v1(213.51,83.34) v1(214.3,119.85) v1(214.3,72.23) v1(218.27,26.19) v1(219.06,53.18) v1(223.03,111.91) v1(223.03,64.29) v1(223.82,91.28) v1(226.2,103.18) v1(226.2,15.08) v1(227.79,45.24) v1(228.59,34.13) v1(232.55,83.34) v1(233.35,72.23) v1(234.94,7.14) v1(237.32,26.19) v1(238.11,53.18) v1(239.7,111.12) v1(242.08,64.29) v1(242.87,119.85) v1(242.87,91.28) v1(246.84,45.24) v1(247.63,34.13) v1(250.02,15.08) v1(251.6,111.91) v1(251.6,83.34) v1(252.4,72.23) v1(256.37,26.19) v1(257.16,53.18) v1(258.75,7.14) v1(261.13,64.29) v1(261.13,27.78) v1(261.92,119.85) v1(261.92,91.28) v1(261.92,33.73) v1(265.89,45.24) v1(267.48,32.54) v1(268.67,22.22) v1(270.65,111.91) v1(270.65,83.34) v1(271.45,72.23) v1(271.84,39.29) v1(273.83,41.27) v1(273.83,15.08) v1(275.81,22.22) v1(276.21,78.58) v1(277,48.42) v1(280.18,64.29) v1(280.97,119.85) v1(282.56,78.58) v1(282.56,41.27) v1(282.56,7.14) v1(286.13,82.54) v1(288.11,84.93) v1(288.11,53.18) v1(289.7,111.91) v1(290.49,91.28) v1(292.08,26.19) v1(292.88,21.83) v1(295.26,72.23) v1(296.84,45.24) v1(297.64,15.08) v1(299.22,83.34) v1(300.02,119.85) v1(300.02,22.62) v1(300.81,48.42) v1(303.19,90.48) v1(303.99,64.29) v1(304.78,19.84) v1(305.57,57.94) v1(306.37,7.14) v1(308.75,111.91) v1(310.34,14.29) v1(310.34,5.95) v1(321.45,23.81) v1(322.24,59.53) v1(323.83,82.15) v1(326.21,84.93) v1(326.21,21.43) v1(328.59,119.85) v1(328.59,91.28) v1(328.59,72.23) v1(328.59,15.08) v1(329.39,100.8) v1(329.78,47.23) v1(330.97,23.81) v1(335.74,26.19) v1(335.74,21.43) v1(337.32,111.91) v1(337.32,83.34) v1(337.32,64.29) v1(337.32,7.14) v1(338.91,44.45) v1(345.26,27.78) v1(345.26,8.73) v1(346.85,34.92) v1(347.64,119.85) v1(347.64,91.28) v1(347.64,72.23) v1(347.64,15.08) v1(349.23,50.8) v1(350.02,99.21) v1(353.59,82.54) v1(356.37,100.01) v1(356.37,64.29) v1(356.37,26.19) v1(356.37,7.14) v1(357.16,50.8) v1(357.16,34.13) v1(357.96,16.67) v1(363.51,41.27) v1(366.69,91.28) v1(366.69,72.23) v1(366.69,15.08) v1(367.48,100.8) v1(367.48,29.37) v1(375.42,83.34) v1(375.42,64.29) v1(375.42,53.18) v1(375.42,7.14)
